# Altium PCB FINAL_PCB_VER1.PcbDoc (part 3 of 4)
Units mil, origin at the board's own origin, x right, y up, seen from the top; angles counter-clockwise.
Board outline 4655 x 4049 mil, 4 copper layers (Top Layer, Mid Layer 1, Mid Layer 2, Bottom Layer), stack 23.756 mil thick; 337 components, 279 nets, 1257 pads, 622 vias.
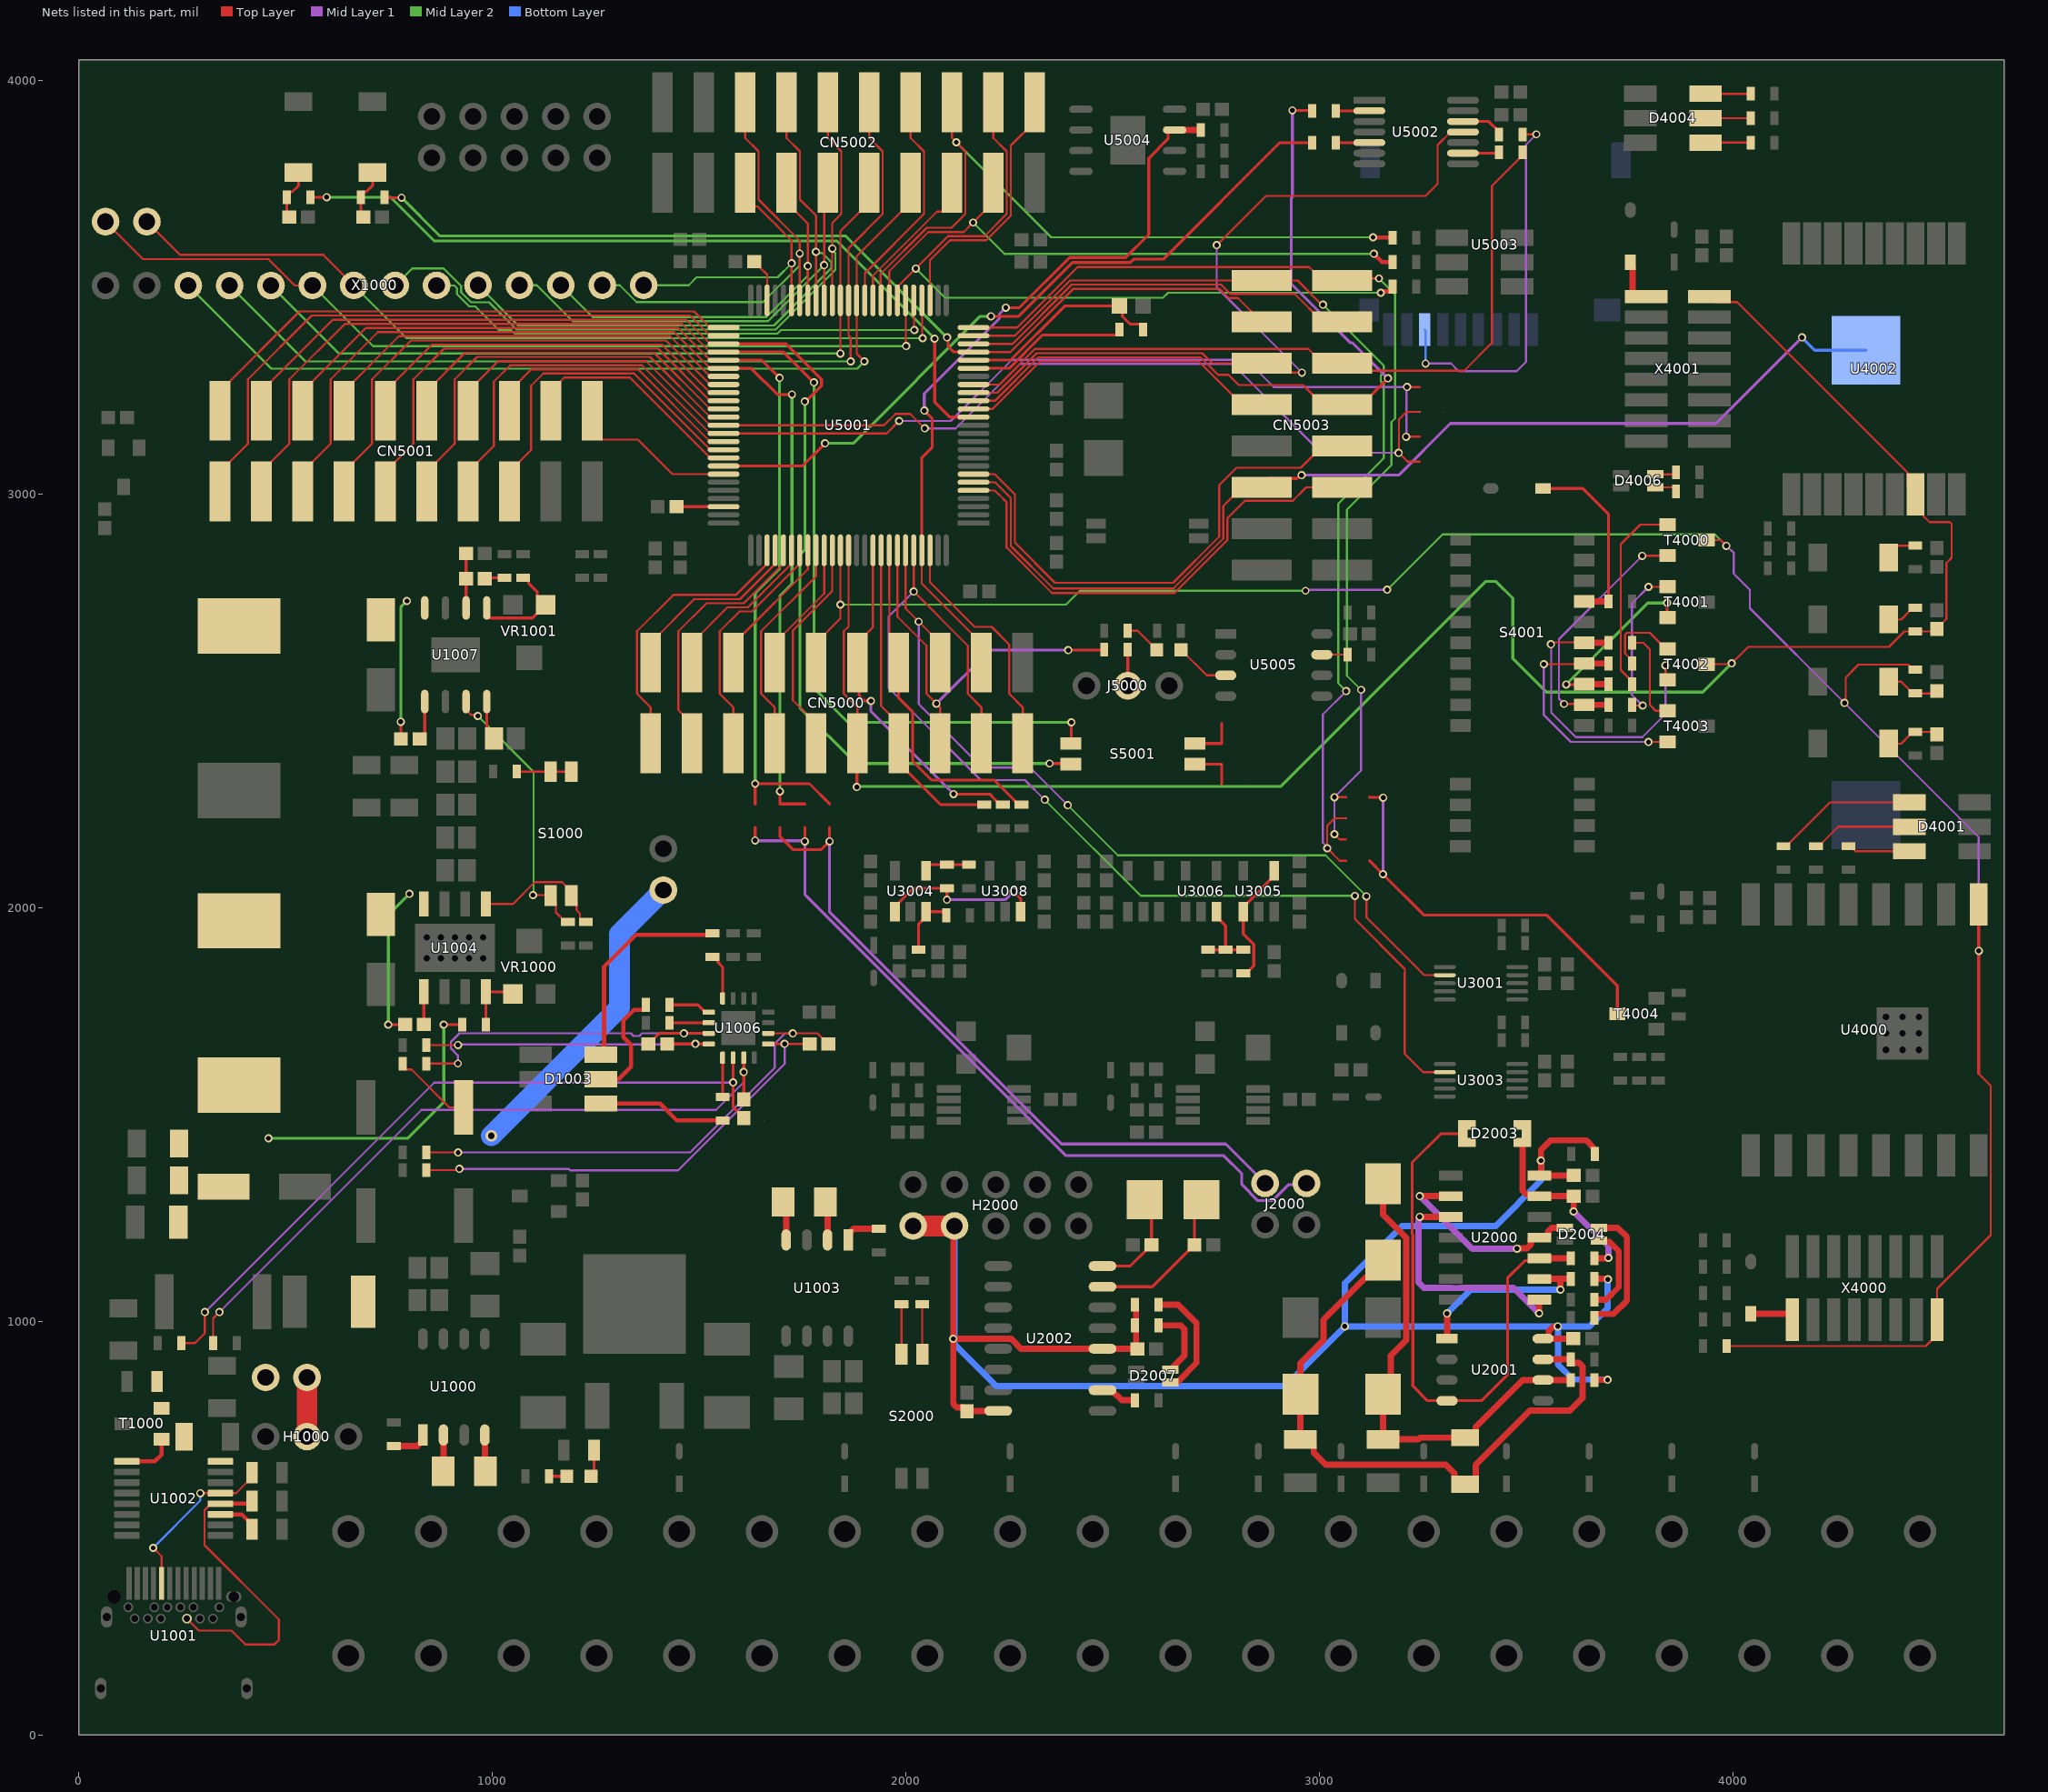
[diagram p5: the nets of this part, all layers, seen from the top]

## Via types
v1: diameter 19.68, hole 11.81, Top Layer to Bottom Layer, tented both sides, 546 vias
v2: diameter 23.62, hole 15.75, Top Layer to Bottom Layer, tented both sides, 29 vias
v3: diameter 19.68, hole 11.81, Top Layer to Bottom Layer, 18 vias
v4: diameter 23.62, hole 15.75, Top Layer to Bottom Layer, 17 vias
v5: diameter 27.56, hole 15.75, Top Layer to Bottom Layer, 6 vias
v6: diameter 236.22, hole 122.05, Top Layer to Bottom Layer, 3 vias
v7: diameter 51.18, hole 39.37, Top Layer to Bottom Layer, tented both sides, 2 vias
v8: diameter 157.48, hole 122.05, Top Layer to Bottom Layer, 1 vias

## Nets (pads, with @x,y where several pads share a name; then routed paths per layer and width w, separated by ;. In a path a pad name is that pad's centre, name@x,y a point inside that pad or via, vN(x,y) a via of type N, cw(c..) or ccw(c..) an arc to the next point about the centre after c; other vN are vias at no path point) (continued)
MCU5: CN5003.5 U5001.5 | length 1195.5
  Top Layer w5: U5001.5@2163,3008.15 2213.97,3008.15 2223.66,2998.46 2224.09,2998.46 2243,2979.55 2243,2869.86 2352.86,2760 2649.05,2760 2777,2887.95 2777,2941.12 2819.01,2983.13 2935.11,2983.13 2967.61,3015.63 CN5003.5@3054.44,3015.63
MCU6: CN5003.6 U5000.2 U5001.6 | length 2642.6
  Top Layer w5: U5001.6@2163,3027.83 2215.22,3027.83 2253,2990.06 2253,2874 2356,2771 2645.91,2771 2767,2892.09 2767,2970.51 2812.12,3015.63 CN5003.6@2854.44,3015.63
  Top Layer w7: CN5003.6@2854.44,3015.63 2875.94,3037.13 2944.7,3037.13 2952.57,3045 v1(2956,3045)
  Mid Layer 1 w7: v1(2956,3045) 3190.76,3045 3315.76,3170 3958,3170 v1(4166,3378)
  Bottom Layer w7: v1(4166,3378) 4196.98,3347.02 U5000.2@4321,3347.02
MCU7: CN5003.7 U5001.7 | length 1278.7
  Top Layer w5: U5001.7@2163,3047.52 2214.31,3047.52 2263,2998.83 2263,2882 2360,2785 2645.77,2785 2757,2896.23 2757,3021.12 2798.88,3063 2954.37,3063 3007,3115.63 CN5003.7@3054.44,3115.63
MCU14: R5016.2 U5001.14 | length 1913.4
  Top Layer w7: R5016.2@559.54,3716.67 559.87,3717 v1(599,3717) ; v1(2069,3375) 2069,3222 2105.69,3185.31 U5001.14@2163,3185.31
  Mid Layer 2 w7: v1(599,3717) 753.06,3717 858.73,3611.33 1832.67,3611.33 v1(2069,3375)
MCU15: CN5003.10 U5001.15 | length 787.4
  Top Layer w5: U5001.15@2163,3205 2209,3205 2324,3320 2707.75,3320 2812.12,3215.63 CN5003.10@2859.56,3215.63
MCU16: CN5003.9 R5026.1 U5001.16 | length 1916.8
  Top Layer w5: U5001.16@2163,3224.68 2214.54,3224.69 2319.86,3330 2711.89,3330 2754.43,3287.46 2779.68,3287.46 2804.35,3262.79 2959.83,3262.79 3007,3215.63 CN5003.9@3054.44,3215.63
  Top Layer w7: v1(2934,3927) 2980.49,3927 R5026.1@2981.78,3925.72 ; CN5003.9@3054.44,3215.63 3101.88,3215.63 3165,3278.75 v1(3165,3279)
  Mid Layer 1 w7: v1(2934,3927) 2934,3717.31 2931,3714.31 2931,3508.06 3073.65,3365.41 3078.59,3365.41 v1(3165,3279)
MCU17: CN5003.12 U5001.17 U5002.11 | length 2010.4
  Top Layer w5: U5001.17@2163,3244.37 2220.09,3244.37 2315.72,3340 2716.03,3340 2740.4,3315.63 CN5003.12@2859.56,3315.63 2882.06,3293.13 2956.87,3293.13 v1(2957,3293) ; v1(2751,3601) 2870,3720 3256,3720 3285.05,3749.05 3285.05,3843.27 3316.32,3874.53 U5002.11@3346.53,3874.53
  Mid Layer 1 w5: v1(2751,3601) 2751,3499 v1(2957,3293)
MCU18: CN5003.11 R5028.1 U5001.18 | length 1830
  Top Layer w5: U5001.18@2163,3264.05 2225.63,3264.06 2311.57,3350 2972.63,3350 3007,3315.63 CN5003.11@3054.44,3315.63 3072.41,3297.66 3349.18,3297.66 3416.35,3364.83 3416.35,3744.13 3490.87,3818.64 R5028.1@3490.87,3825.53
MCU22: CN5003.14 R5008.1 U5001.22 | length 2383.5
  Top Layer w5: U5001.22@2163,3342.79 2251.8,3342.8 2404.63,3495.63 2757.37,3495.63 2779.87,3473.13 2802.06,3473.13 CN5003.14@2859.56,3415.63
  Top Layer w7: R5008.1@738.54,3716.67 739.22,3716 v1(780,3716) ; v1(2099,3378) 2101.43,3375.57 2101.43,3356.41 2115.04,3342.8 U5001.22@2163,3342.79
  Mid Layer 2 w7: v1(780,3716) 872.67,3623.33 1853.67,3623.33 v1(2099,3378)
MCU23: CN5003.13 U5001.23 | length 988
  Top Layer w5: U5001.23@2163,3362.48 2257.34,3362.48 2400.49,3505.63 2761.51,3505.63 2784.01,3483.13 2939.5,3483.13 3007,3415.63 CN5003.13@3054.44,3415.63
MCU24: CN5003.16 SB5000.2 SB5002.2 U5001.24 | length 2551.1
  Top Layer w5: U5001.24@2163,3382.16 2262.88,3382.17 2396.34,3515.63 CN5003.16@2859.56,3515.63 2946.39,3515.63 3005.02,3457 v1(3008,3457) ; v1(3018.23,2143.12) 3018.23,2197.56 3036.17,2215.5 SB5002.2@3063.46,2215.5 ; v1@3018.46,2142.89 3048.35,2113 SB5000.2@3063.46,2113
  Mid Layer 1 w5: v1(3018.23,2143.12) 3018.23,2146.25 3007.53,2156.95 3007.53,2466.53 v1(3064,2523)
  Mid Layer 2 w5: v1(3008,3457) 3155,3310 3155,3293.53 3147.66,3286.18 3147.66,3271.82 3155,3264.47 3155,3086 3045,2976 3045,2542 v1(3064,2523)
MCU25: CN5003.15 SB5001.2 SB5003.2 U5001.25 | length 2565.4
  Top Layer w5: U5001.25@2163,3401.85 2268.42,3401.85 2414.7,3548.13 2974.5,3548.13 3007,3515.63 CN5003.15@3054.44,3515.63 3059.39,3520.57 v1(3143.24,3520.57) ; v1(3035.57,2177) 3048.32,2164.25 SB5001.2@3062.46,2164.25 ; v1(3035.57,2266.46) 3035.86,2266.75 SB5003.2@3063.67,2266.75
  Mid Layer 1 w5: v1(3035.57,2177) v1(3035.57,2266.46) 3100,2330.89 v1(3100,2526)
  Mid Layer 2 w5: v1(3100,2526) 3066,2560 3066,2961.91 3173.66,3069.56 3173.66,3173.53 3182.34,3182.22 3182.34,3481.47 v1(3143.24,3520.57)
MCU28: CN5002.1 U5001.28 | length 635.5
  Top Layer w5: U5001.28@2057.66,3467.81 2057.68,3564.75 2105.85,3612.93 2193.94,3612.93 2253.33,3672.31 2253.33,3841.94 2310.83,3899.44 CN5002.1@2310.83,3946.88
MCU29: J1002.2 U5001.29 X1000.7 | length 2085.2
  Top Layer w5: J1002.2@164.23,3658 244.76,3577.48 590.85,3577.48 X1000.7@664.62,3503.71 ; U5001.29@2037.98,3467.81 2038.99,3466.8 2038.99,3377.01 v1(2040,3376)
  Mid Layer 2 w5: X1000.7@664.62,3503.71 792.33,3376 v1(2040,3376)
MCU30: U5001.30 X1000.9 | length 1288.3
  Top Layer w5: U5001.30@2018.29,3467.81 2019.15,3466.96 2019.15,3396.85 v1(2020,3396)
  Mid Layer 2 w5: X1000.9@864.62,3503.71 907.36,3503.71 914.04,3497.03 914.04,3482.89 943.89,3453.04 958.03,3453.04 1015.07,3396 1044.72,3396 1053.72,3387 1688.81,3387 1697.81,3396 v1(2020,3396)
MCU31: J1002.1 U5001.31 X1000.6 | length 2171.8
  Top Layer w5: J1002.1@64.23,3658 154.76,3567.48 458.12,3567.48 521.88,3503.71 X1000.6@564.62,3503.71 ; U5001.31@1998.61,3467.81 1999.3,3467.12 1999.3,3357.7 v1(2000,3357)
  Mid Layer 2 w5: X1000.6@564.62,3503.71 711.33,3357 v1(2000,3357)
MCU32: CN5002.3 R5007.2 U5001.32 | length 1851.4
  Top Layer w5: U5001.32@1978.92,3467.81 1978.94,3500.15 v1(2023.48,3544.69) 2101.71,3622.93 2189.8,3622.93 2243.33,3676.45 2243.33,3827.55 2210.83,3860.05 CN5002.3@2210.83,3946.88
  Top Layer w10: v1(3147.66,3486.12) 3150.28,3486.12 3153.42,3489.26 3171.61,3489.26 3176.46,3494.1 R5007.2@3176.46,3500.99
  Mid Layer 2 w5: v1(2023.48,3544.69) 2094.51,3473.66 2620.76,3473.66 2633.22,3486.12 v1(3147.66,3486.12)
MCU33: CN5002.4 R5006.2 U5001.33 | length 1492.4
  Top Layer w5: U5001.33@1959.25,3467.81 1959.25,3538.25 2053.93,3632.93 2139.2,3632.93 v1(2162,3655.73) 2210.83,3704.56 CN5002.4@2210.83,3752
  Top Layer w10: v1(3131,3580) 3150.95,3560.05 R5006.2@3176.46,3560.05
  Mid Layer 2 w5: v1(2162,3655.73) 2237.74,3580 v1(3131,3580)
MCU34: CN5002.5 R5005.1 U5001.34 | length 1763.8
  Top Layer w5: U5001.34@1939.55,3467.81 1938.43,3468.93 1938.43,3531.58 2049.78,3642.93 2109.8,3642.93 2143.33,3676.45 2143.33,3827.55 v1(2121.16,3849.72) 2110.83,3860.05 CN5002.5@2110.83,3946.88
  Top Layer w10: v1(3129,3620) 3175.56,3620 R5005.1@3176.46,3619.1
  Mid Layer 2 w5: v1(2121.16,3849.72) 2350.88,3620 v1(3129,3620)
MCU35: CN5002.6 U5001.35 | length 371.2
  Top Layer w5: U5001.35@1919.87,3467.81 1919.88,3527.17 2074.77,3682.06 2088.33,3682.06 2110.83,3704.56 CN5002.6@2110.83,3752
MCU36: CN5002.7 U5001.36 | length 551.8
  Top Layer w5: U5001.36@1900.18,3467.81 1900.2,3533.32 2043.33,3676.45 2043.33,3827.55 2010.83,3860.05 CN5002.7@2010.83,3946.88
MCU37: CN5002.8 U5001.37 X1000.3 | length 2218.8
  Top Layer w5: v1(1899,3320) 1880.5,3338.5 U5001.37@1880.5,3467.81 1880.51,3574.24 2010.83,3704.56 CN5002.8@2010.83,3752
  Mid Layer 2 w5: X1000.3@264.23,3503.43 465,3302.66 1881.66,3302.66 v1(1899,3320)
MCU38: CN5002.9 U5001.38 X1000.4 | length 2254.4
  Top Layer w5: U5001.38@1860.81,3467.81 1860.81,3382.74 1866,3377.55 v1(1866,3320) ; U5001.38@1860.81,3467.81 1860.83,3593.95 1943.33,3676.45 1943.33,3827.55 1910.83,3860.05 CN5002.9@1910.83,3946.88
  Mid Layer 2 w5: X1000.4@364.23,3503.43 547.66,3320 v1(1866,3320)
MCU39: CN5002.10 U5001.39 X1000.5 | length 1886.8
  Top Layer w5: v1(1841,3339) 1841.06,3339.06 1841.06,3467.75 U5001.39@1841.13,3467.81 1841.14,3634.87 1910.83,3704.56 CN5002.10@1910.83,3752
  Mid Layer 2 w5: X1000.5@464.23,3503.43 628.66,3339 v1(1841,3339)
MCU40: CN5002.11 U5001.40 X1000.8 | length 1767.7
  Top Layer w5: CN5002.11@1810.83,3946.88 1810.83,3860.05 1843.33,3827.55 1843.33,3676.45 1821.46,3654.58 v1(1821.46,3592.99) U5001.40@1821.46,3467.81
  Mid Layer 2 w5: X1000.8@764.62,3503.71 805.58,3544.68 881.58,3544.68 924.04,3502.23 924.04,3487.03 948.03,3463.04 991.82,3463.04 1057.86,3397 1684.67,3397 1829.11,3541.44 1829.11,3581.36 1821.46,3589.02 v1(1821.46,3592.99)
MCU41: CN5002.12 U5001.41 X1000.11 | length 1117
  Top Layer w5: U5001.41@1801.76,3467.81 v1(1801.77,3552.77) 1801.77,3742.94 CN5002.12@1810.83,3752
  Mid Layer 2 w5: X1000.11@1065,3504 1107.07,3504 1194.07,3417 1666,3417 v1(1801.77,3552.77)
MCU42: CN5002.13 U5001.42 X1000.10 | length 1522
  Top Layer w5: CN5002.13@1710.83,3946.88 1710.83,3860.05 1743.33,3827.55 1743.33,3711.45 1782.09,3672.69 v1(1782.09,3584.86) U5001.42@1782.07,3467.81
  Mid Layer 2 w5: X1000.10@965,3504 1062,3407 1680.53,3407 1819.11,3545.59 1819.11,3559.95 1797.01,3582.05 1784.9,3582.05 v1(1782.09,3584.86)
MCU43: CN5002.14 U5001.43 X1000.12 | length 999.4
  Top Layer w5: CN5002.14@1710.83,3752 1710.83,3704.56 1762.4,3652.99 v1(1762.4,3550.43) U5001.43@1762.39,3467.81
  Mid Layer 2 w5: X1000.12@1165,3504 1242,3427 1661.86,3427 1762.4,3527.54 v1(1762.4,3550.43)
MCU44: CN5002.15 U5001.44 X1000.13 | length 1093.5
  Top Layer w5: CN5002.15@1610.83,3946.88 1610.83,3860.05 1643.33,3827.55 1643.33,3711.45 1742.72,3612.06 v1(1742.72,3580.86) U5001.44@1742.7,3467.81
  Mid Layer 2 w5: X1000.13@1265.38,3504.28 1307.44,3504.28 1348.41,3463.32 1653.89,3463.32 1742.72,3552.14 v1(1742.72,3580.86)
MCU45: CN5002.16 U5001.45 X1000.14 | length 714.8
  Top Layer w5: CN5002.16@1610.83,3752 1610.83,3717.1 1633.33,3694.6 1640.4,3694.6 1675.98,3659.02 1676.83,3659.02 1686.99,3648.86 1686.99,3648.01 1723.03,3611.97 v1(1723.03,3556.98) U5001.45@1723.02,3467.81
  Mid Layer 2 w5: X1000.14@1365.38,3504.28 1474.41,3504.28 1493.27,3523.15 1689.2,3523.15 v1(1723.03,3556.98)
MCU51: CN5001.2 U5001.51 | length 1360.9
  Top Layer w5: CN5001.2@341.04,3200.88 341.04,3248.32 533.54,3440.82 1487.33,3440.82 1526.31,3401.85 U5001.51@1558.63,3401.85
MCU52: CN5001.1 U5001.52 | length 1532.6
  Top Layer w5: CN5001.1@341.04,3006 341.04,3053.44 408.54,3120.94 408.54,3276.43 562.93,3430.82 1477.65,3430.82 1526.31,3382.17 U5001.52@1558.63,3382.16
MCU53: CN5001.4 S5001.2 U5001.53 | length 3060.6
  Top Layer w5: CN5001.4@441.04,3200.88 441.04,3248.32 613.54,3420.82 1467.96,3420.82 1526.31,3362.48 U5001.53@1558.63,3362.48
  Top Layer w7: U5001.53@1558.63,3362.48 1709.46,3362.48 1795.34,3276.6 1795.34,3261.4 1756.94,3223 v1(1755,3223) ; v1(2347,2348) 2396.33,2348 S5001.2@2398,2346.33
  Mid Layer 2 w7: v1(1755,3223) 1755,2864.06 1743,2852.06 1743,2483.56 1878.56,2348 v1(2347,2348)
MCU54: CN5001.3 S5001.1 U5001.54 | length 3128.9
  Top Layer w5: CN5001.3@441.04,3006 441.04,3053.44 508.54,3120.94 508.54,3276.43 642.93,3410.82 1458.28,3410.82 1526.31,3342.8 U5001.54@1558.63,3342.79
  Top Layer w7: U5001.54@1558.63,3342.79 1703.2,3342.8 v1(1777,3269) ; S5001.1@2398,2396.33 2399.63,2397.96 v1(2399.63,2447.51)
  Mid Layer 2 w7: v1(1777,3269) 1777,2530 1859.49,2447.51 v1(2399.63,2447.51)
MCU55: CN5001.6 SB5005.1 SB5006.1 U5001.55 | length 2568
  Top Layer w5: CN5001.6@541.04,3200.88 541.04,3248.32 693.54,3400.82 1448.59,3400.82 1526.31,3323.11 U5001.55@1558.63,3323.11
  Top Layer w7: U5001.55@1558.63,3323.11 1650.89,3323.11 v1(1694,3280) ; SB5006.1@1635.09,2250.29 1635.09,2298.91 v1(1635,2299) 1766.29,2299 SB5005.1@1815,2250.29
  Mid Layer 2 w7: v1(1635,2299) 1635,2760 1694,2819 v1(1694,3280)
MCU56: CN5001.5 SB5004.1 SB5007.1 U5001.56 | length 2585.4
  Top Layer w5: CN5001.5@541.04,3006 541.04,3053.44 608.54,3120.94 608.54,3276.43 722.93,3390.82 1438.91,3390.82 1526.31,3303.43 U5001.56@1558.63,3303.42
  Top Layer w7: U5001.56@1558.63,3303.42 1625.28,3303.43 1688.7,3240 v1(1724,3240) ; v1(1695,2280.66) 1695.06,2280.59 SB5007.1@1695.06,2250.29 SB5004.1@1755.03,2250.29
  Mid Layer 2 w7: v1(1695,2280.66) 1695,2753.33 1724,2782.33 v1(1724,3240)
MCU57: CN5001.8 U5001.57 | length 1060.1
  Top Layer w5: CN5001.8@641.04,3200.88 641.04,3248.32 773.54,3380.82 1429.22,3380.82 1526.31,3283.74 U5001.57@1558.63,3283.74
MCU58: CN5001.7 U5001.58 | length 1231.8
  Top Layer w5: CN5001.7@641.04,3006 641.04,3053.44 708.54,3120.94 708.54,3276.43 802.93,3370.82 1419.54,3370.82 1526.31,3264.06 U5001.58@1558.63,3264.05
MCU59: CN5001.10 U5001.59 | length 959.9
  Top Layer w5: CN5001.10@741.04,3200.88 741.04,3248.32 853.54,3360.82 1409.85,3360.82 1526.31,3244.37 U5001.59@1558.63,3244.37
MCU60: CN5001.9 U5001.60 | length 1131.6
  Top Layer w5: CN5001.9@741.04,3006 741.04,3053.44 808.54,3120.94 808.54,3276.43 882.93,3350.82 1400.17,3350.82 1526.31,3224.69 U5001.60@1558.63,3224.68
MCU61: CN5001.12 U5001.61 | length 859.6
  Top Layer w5: CN5001.12@841.04,3200.88 841.04,3248.32 933.54,3340.82 1390.48,3340.82 1526.31,3205 U5001.61@1558.63,3205
MCU62: CN5001.11 U5001.62 | length 1031.3
  Top Layer w5: CN5001.11@841.04,3006 841.04,3053.44 908.54,3120.94 908.54,3276.43 962.93,3330.82 1380.8,3330.82 1526.31,3185.31 U5001.62@1558.63,3185.31
MCU63: CN5001.14 SB5012.2 SB5014.2 U5001.63 | length 2771
  Top Layer w5: CN5001.14@941.04,3200.88 941.04,3248.32 1013.54,3320.82 1371.11,3320.82 1526.31,3165.63 U5001.63@1558.63,3165.63 1946.65,3165.63 1974.36,3193.34 2009.66,3193.34 v1(2045,3158) ; SB5014.2@3242.46,3078 3212,3078 v1(3191,3099) 3191.66,3099.66 3191.66,3179.66 3209.94,3197.94 SB5012.2@3242.46,3197.94
  Mid Layer 1 w5: v1(2045,3158) 2119.57,3158 2275.57,3314 2789,3314 3004,3099 v1(3191,3099)
MCU64: CN5001.13 SB5013.2 SB5015.2 U5001.64 | length 2870.3
  Top Layer w5: CN5001.13@941.04,3006 941.04,3053.44 1003.24,3115.64 1003.24,3271.12 1042.93,3310.82 1361.43,3310.82 1526.31,3145.94 U5001.64@1558.63,3145.94 1952.94,3145.94 v1(1983,3176) ; v1(3209,3138) SB5015.2@3242.46,3137.97 ; v1(3211,3258) 3242.36,3258 SB5013.2@3242.46,3257.91
  Mid Layer 1 w5: v1(1983,3176) 2108.16,3176 2256.16,3324 2823,3324 2889,3258 v1(3211,3258) 3210,3257 3210,3139 v1(3209,3138)
MCU65: CN5001.16 U5001.65 | length 659.1
  Top Layer w5: CN5001.16@1041.04,3200.88 1041.04,3248.32 1093.54,3300.82 1351.74,3300.82 1526.31,3126.26 U5001.65@1558.63,3126.26
MCU66: CN5001.15 U5001.66 | length 830.8
  Top Layer w5: CN5001.15@1041.04,3006 1041.04,3053.44 1093.24,3105.64 1093.24,3261.12 1122.93,3290.82 1342.06,3290.82 1526.31,3106.57 U5001.66@1558.63,3106.57
MCU67: CN5001.18 U5001.67 | length 558.8
  Top Layer w5: CN5001.18@1141.04,3200.88 1141.04,3248.32 1173.54,3280.82 1332.37,3280.82 1526.31,3086.89 U5001.67@1558.63,3086.89
MCU68: R5027.1 U5001.68 | length 1747
  Top Layer w7: U5001.68@1558.63,3067.2 1749.2,3067.2 v1(1804,3122) ; v1(2205,3429) 2272,3429 2402.13,3559.13 2542.13,3559.13 2550,3567 2621.75,3567 2903.69,3848.94 R5027.1@2981.78,3848.94
  Mid Layer 2 w7: v1(1804,3122) 1872,3122 2179,3429 v1(2205,3429)
MCU69: CN5001.20 U5001.69 | length 408.9
  Top Layer w5: CN5001.20@1241.04,3200.88 1241.04,3153.44 1263.54,3130.94 1351.53,3130.94 1434.95,3047.52 U5001.69@1558.63,3047.52
MCU78: CN5000.1 U5001.78 | length 698.5
  Top Layer w5: CN5000.1@1382,2397.12 1382,2483.95 1349.5,2516.45 1349.5,2667.55 1437.38,2755.43 1588.3,2755.43 1663.98,2831.11 U5001.78@1663.96,2863.45
MCU79: CN5000.2 U5001.79 | length 460.8
  Top Layer w5: CN5000.2@1382,2592 1382,2639.44 1487.99,2745.43 1597.98,2745.43 1683.66,2831.11 U5001.79@1683.66,2863.45
MCU80: CN5000.3 U5001.80 | length 637.8
  Top Layer w5: CN5000.3@1482,2397.12 1482,2444.56 1449.5,2477.06 1449.5,2667.55 1517.38,2735.43 1607.67,2735.43 1703.35,2831.11 U5001.80@1703.33,2863.45
MCU81: CN5000.4 U5001.81 | length 400.2
  Top Layer w5: CN5000.4@1482,2592 1482,2639.44 1567.99,2725.43 1617.35,2725.43 1723.03,2831.11 U5001.81@1723.02,2863.45
MCU82: CN5000.5 U5001.82 | length 577.2
  Top Layer w5: CN5000.5@1582,2397.12 1582,2483.95 1549.5,2516.45 1549.5,2667.55 1597.38,2715.43 1627.04,2715.43 1742.72,2831.11 U5001.82@1742.7,2863.45
MCU83: CN5000.6 U5001.83 | length 347.6
  Top Layer w5: CN5000.6@1582,2592 1582,2639.44 1604.5,2661.94 1606.89,2661.94 1762.4,2817.46 U5001.83@1762.39,2863.45
MCU84: CN5000.7 U5001.84 | length 534.7
  Top Layer w5: CN5000.7@1682,2397.12 1682,2483.95 1649.5,2516.45 1649.5,2667.55 1782.09,2800.14 U5001.84@1782.07,2863.45
MCU85: CN5000.8 U5001.85 | length 321.1
  Top Layer w5: CN5000.8@1682,2592 1682,2639.44 1801.77,2759.21 U5001.85@1801.76,2863.45
MCU86: CN5000.9 U5001.86 | length 529.1
  Top Layer w5: CN5000.9@1782,2397.12 1782,2444.56 1726,2500.56 1726,2669.3 1821.46,2764.76 U5001.86@1821.46,2863.45
MCU87: CN5000.10 R4002.1 R4006.2 T4000.3 U4000.1 U5001.87 X4000.15 | length 5682.6
  Top Layer w5: CN5000.10@1782,2592 1782,2639.44 1841.14,2698.59 v1(1841.14,2732.09) U5001.87@1841.13,2863.45 ; T4000.3@3935.24,2888.1 3969.53,2888.1 v1(3983.28,2874.35) ; R4002.1@3984,939.89 4465.54,939.89 4493,967.35 X4000.15@4493,1003.17 4493,1078 4622.74,1207.74 4622.74,1568.64 4593.59,1597.79 ; v1(4269.14,2494.38) 4271.95,2497.19 4271.95,2555.95 4302.96,2586.96 4422.84,2586.96 4425.77,2584.03 4425.77,2581.88 4433.11,2574.54 R4006.2@4440,2574.54
  Top Layer w7: 4593.59,1597.79 v1(4593.59,1894.99) U4000.1@4593.59,2007.36
  Mid Layer 1 w5: v1(2965.85,2765.63) 2968.22,2768 v1(3163,2768) ; v1(3983.28,2874.35) 3995.54,2862.09 3996.57,2862.09 4001,2857.65 4001,2807 4040,2768 4040,2723.52 v1(4269.14,2494.38) 4593.59,2169.93 v1(4593.59,1894.99)
  Mid Layer 2 w5: v1(1841.14,2732.09) 2386.73,2732.09 2420.27,2765.63 v1(2965.85,2765.63) ; v1(3163,2768) 3297,2902 3955.63,2902 v1(3983.28,2874.35)
MCU88: C4009.1 CN5000.11 R4018.1 T4002.3 U4002.16 U5001.88 X4001.2 | length 4849.9